# Altium PCB Sensor_Box_Hub_OrangePi.PCBDOC (part 1 of 2) (continued)
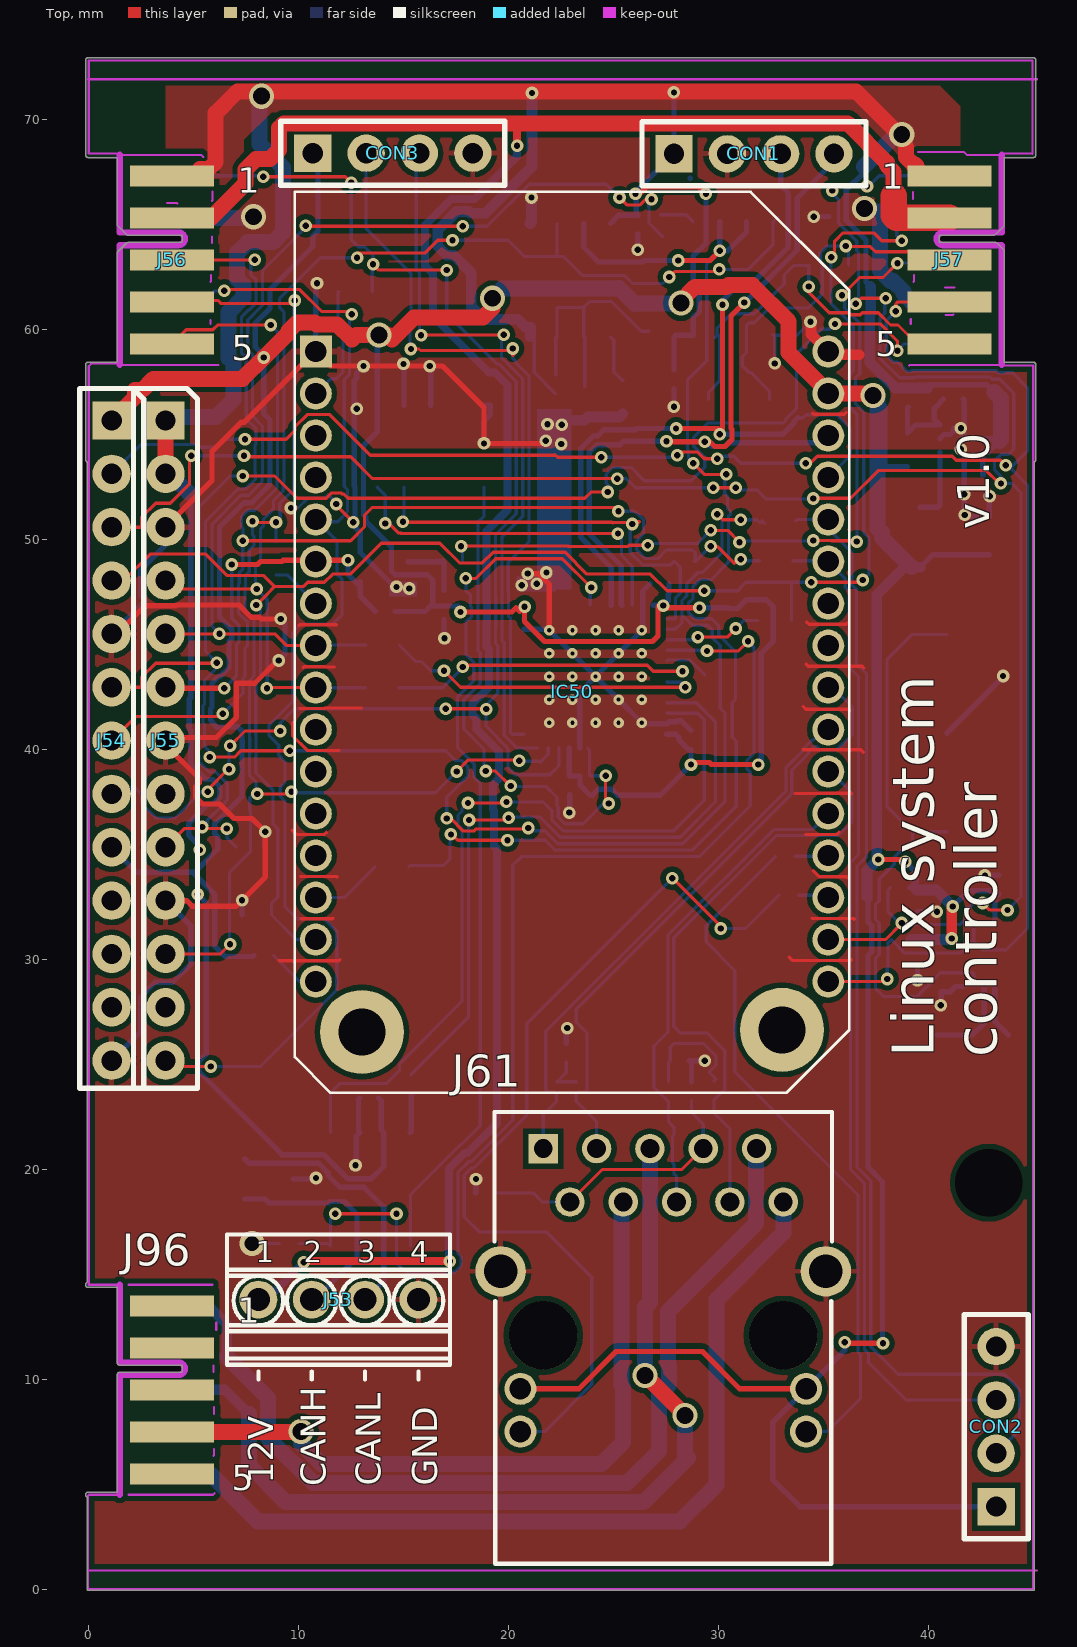
[diagram p0: Top view]
## Part data
BAT1: library part "BAT_VARTA_V 364 MF", "Battery for use only with Socket Holder", Manufacturer=VARTA, Manufacturer Part Number="V 364 MF", Power=17mAh, Author="CERN DEM JLC", ComponentHeight=2.15mm, Component Type=Standard, CreateDate=03.07.2014, Family=Battery, HelpURL="\\cern.ch\dfs\Applications\Altium\Datasheets\BAT_VARTA_V 364 MF.pdf", LatestRevisionDate=03.07.2014, Mounted=Yes, PackageDescription="CR60, 6.8mm Diameter x 2.2mm  Height Silver Oxide Buttun Cell Battery", Part Description="CR60, 6.8mm Diameter x 2.2mm  Height Silver Oxide Buttun Cell Battery", Part Number="BAT_VARTA_V 364 MF", Pin Count=0, PressFit=No, Sense=No, SMD=No, Socket=Yes
BATH5: library part BATH_KEYSTONE_2998, "Battery Holder whit 2 Pin", Manufacturer=KEYSTONE, Manufacturer Part Number=2998, Author="CERN DEM JLC", ComponentHeight=3.048mm, Component Type=Standard, CreateDate=03.07.2014, Family=Battery, HelpURL=\\cern.ch\dfs\Applications\Altium\Datasheets\BATH_KEYSTONE_2998.pdf, LatestRevisionDate=07.06.2017, Mounted=Yes, PackageDescription="SMD Battery Holder for MC621, V364, SC621, DR13H, DR77, V13AT, 377 Button Cells", Part Description="SMD Battery Holder for MC621, V364, SC621, DR13H, DR77, V13AT, 377 Button Cells", Part Number=BATH_KEYSTONE_2998, Pin Count=3, PressFit=No, Sense=No, SMD=Yes, Socket=No
C9 C11 C150 C151: library part CC0402_100NF_16V_10%_X7R, "Non-polarised capacitor", Case=0402, Manufacturer=GENERIC, Manufacturer1 ComponentHeight=0.55mm, Manufacturer1 Example=MURATA, Manufacturer1 Part Number=GRM155R71C104KA88D, Tolerance=±10%, Voltage=16V, Author="CERN DEM JLC", Component Type=Standard, CreateDate=05.12.2013, HelpURL=\\cern.ch\dfs\Applications\Altium\Datasheets\CC0402_X7R_MURATA_GRM.pdf, LatestRevisionDate=03.12.2007, Manufacturer Part Number=CC0402_100NF_16V_10%_X7R, Mounted=Yes, Part Description="SMD Multilayer Chip Ceramic Capacitor", Part Number=CC0402_100NF_16V_10%_X7R, Pin Count=2, Sense=No, SMD=Yes, Socket=No, Status="Not Recommended", TC=X7R
C10 C157: library part CC0603_10NF_50V_5%_C0G, "Non-polarised capacitor", Case=0603, Manufacturer=GENERIC, Manufacturer1 ComponentHeight=0.9mm, Manufacturer1 Example=TDK, Manufacturer1 Part Number=C1608C0G1H103J080AA, Tolerance=±5%, Voltage=50V, Author="CERN DEM JLC", Component Type=Standard, CreateDate=10.12.2014, HelpURL=\\cern.ch\dfs\Applications\Altium\Datasheets\CC0603_C0G_TDK_C.pdf, LatestRevisionDate=10.12.2014, Manufacturer Part Number=CC0603_10NF_50V_5%_C0G, Mounted=Yes, Part Description="SMD Multilayer Chip Ceramic Capacitor", Part Number=CC0603_10NF_50V_5%_C0G, Pin Count=2, Sense=No, SMD=Yes, Socket=No, Status=Preferred, TC=C0G/NP0
C65: library part CC0402_1UF_16V_10%_X5R, "Non-polarised capacitor", Case=0402, Manufacturer=GENERIC, Manufacturer1 ComponentHeight=0.55mm, Manufacturer1 Example=TDK, Manufacturer1 Part Number=C1005X5R1C105KT, Tolerance=±10%, Voltage=16V, Author="CERN DEM JLC", Component Type=Standard, CreateDate=25.10.2012, HelpURL=\\cern.ch\dfs\Applications\Altium\Datasheets\CC0402_X5R_TDK_C.pdf, LatestRevisionDate=25.10.2012, Manufacturer Part Number=CC0402_1UF_16V_10%_X5R, Mounted=Yes, Part Description="SMD Multilayer Chip Ceramic Capacitor", Part Number=CC0402_1UF_16V_10%_X5R, Pin Count=2, Sense=No, SMD=Yes, Socket=No, Status=Preferred, TC=X5R
C67: library part CC0805_10UF_16V_10%_X5R, "Non-polarised capacitor", Case=0805, Manufacturer=GENERIC, Manufacturer1 ComponentHeight=1.4mm, Manufacturer1 Example=KEMET, Manufacturer1 Part Number=C0805C106K4PAC, Tolerance=±10%, Voltage=16V, Author="CERN DEM JLC", Component Type=Standard, CreateDate=03.12.2007, HelpURL=\\cern.ch\dfs\Applications\Altium\Datasheets\CC1206_X5R_KEMET.pdf, LatestRevisionDate=03.12.2007, Manufacturer Part Number=CC0805_10UF_16V_10%_X5R, Mounted=Yes, Part Description="SMD Multilayer Chip Ceramic Capacitor", Part Number=CC0805_10UF_16V_10%_X5R, Pin Count=2, Sense=No, SMD=Yes, Socket=No, Status=Preferred, TC=X5R
C69 C72 C73 C74 C75 C77 C148 C149: library part CC0402_100NF_16V_10%_X5R, "Non-polarised capacitor", Case=0402, Manufacturer=GENERIC, Manufacturer1 ComponentHeight=0.55mm, Manufacturer1 Example=MURATA, Manufacturer1 Part Number=GRM155R61C104KA88D, Tolerance=±10%, Voltage=16V, Author="CERN DEM JLC", Component Type=Standard, CreateDate=10.12.2013, HelpURL=\\cern.ch\dfs\Applications\Altium\Datasheets\CC0402_X5R_MURATA_GRM.pdf, LatestRevisionDate=10.12.2013, Manufacturer Part Number=CC0402_100NF_16V_10%_X5R, Mounted=Yes, Part Description="SMD Multilayer Chip Ceramic Capacitor", Part Number=CC0402_100NF_16V_10%_X5R, Pin Count=2, Sense=No, SMD=Yes, Socket=No, Status=None, TC=X5R
C70: library part CC0603_68PF_50V_5%_NP0, "Non-polarised capacitor", Case=0603, Manufacturer=GENERIC, Manufacturer1 ComponentHeight=0.87mm, Manufacturer1 Example=PHYCOMP, Manufacturer1 Part Number=223886715689, Tolerance=±5%, Voltage=50V, Author="CERN DEM JLC", Component Type=Standard, CreateDate=03.12.2007, HelpURL=\\cern.ch\dfs\Applications\Altium\Datasheets\CC0603_NP0_PHYCOMP.pdf, LatestRevisionDate=03.12.2007, Manufacturer Part Number=CC0603_68PF_50V_5%_NP0, Mounted=Yes, Part Description="SMD Multilayer Chip Ceramic Capacitor", Part Number=CC0603_68PF_50V_5%_NP0, Pin Count=2, Sense=No, SMD=Yes, Socket=No, Status=Preferred, TC=C0G/NP0
CON1 CON2 CON3: library part CON4x2.54, "Connector", Supplier Part Number 1=67R8277, Supplier 1=Newark
D35: "TVS Diode for CAN", Case=SOT-23, Manufacturer=Nexperia, Power=400W, Voltage=24V, Author="CERN DEM JLC", Bonding=No, ComponentHeight=1.12mm, Component Type=Standard, CreateDate=03.09.2014, Device=PESD1CAN-UX, HelpURL=\\cern.ch\dfs\Applications\Altium\Datasheets\SM712.TCT.pdf, LatestRevisionDate=13.01.2015, Manufacturer Part Number=PESD1CAN-UX, Mounted=Yes, PackageDescription="SOT, 0.95mm, pitch; 3 pin,1.30mm W X 2.92mm L X 1.12mm H body, IPC Medium Density", Part Description="TVS Diode for CAN", Part Number=PESD1CAN-UX, Pin Count=3, PressFit=No, Sense=No, SMD=Yes, Socket=No
D36 D37 D41 D42 D82: "ESD protection diode", Case=SOD523, Manufacturer="NXP SEMICONDUCTORS", Power=330W, Voltage=3V3, Author="CERN DEM JLC", Bonding=No, ComponentHeight=0.65mm, Component Type=Standard, CreateDate=29.11.2012, Device=PESD3V3S1UB, HelpURL=\\cern.ch\dfs\Applications\Altium\Datasheets\PESD3V3S1UB.pdf, LatestRevisionDate=29.11.2012, Manufacturer Part Number=PESD3V3S1UB, Mounted=Yes, PackageDescription="Ultra Small Outline Diode Flat Lead (SOD-523), Body; 1.2mm L X 0.8mm W X 0.65mm H, IPC Medium Density", Part Description="ESD protection diode (23kV)", Part Number=PESD3V3S1UB, Pin Count=2, PressFit=No, Sense=No, SMD=Yes, Socket=No
D80: "Asymmetrical TVS Diode for Extended Common-Mode RS-485", Case=SOT-23, Manufacturer=SEMTECH, Power=400W, Voltage=12V/-7V, Author="CERN DEM JLC", Bonding=No, ComponentHeight=1.12mm, Component Type=Standard, CreateDate=23.04.2012, Device=SM712, HelpURL=\\cern.ch\dfs\Applications\Altium\Datasheets\SM712.pdf, LatestRevisionDate=23.04.2012, Manufacturer Part Number=SM712, Mounted=Yes, PackageDescription="SOT, 0.95mm, pitch; 3 pin,1.30mm W X 2.92mm L X 1.12mm H body, IPC Medium Density", Part Description="Asymmetrical TVS Diode for Extended Common-Mode RS-485", Part Number=SM712, Pin Count=3, PressFit=No, Sense=No, SMD=Yes, Socket=No, Status=Obsolete
D81: "Diode", Case=SOD-323F, Manufacturer="FAIRCHILD SEMICONDUCTOR", Power=150mA, Voltage=75V, Author="CERN DEM JLC", Bonding=No, ComponentHeight=1mm, Component Type=Standard, CreateDate=12.05.2011, Device=1N4148WS, HelpURL=\\cern.ch\dfs\Applications\Altium\Datasheets\1N4148WS.pdf, LatestRevisionDate=12.05.2011, Manufacturer Part Number=1N4148WS, Mounted=Yes, PackageDescription="SODFL Diode; 1.70mm W X 1.25mm L X 1.00mm H body, IPC Medium Density", Part Description="Small Signal Diodes", Part Number=1N4148WS, Pin Count=2, PressFit=No, Sense=No, SMD=Yes, Socket=No
IC19: "0V to 6V Input, 1A, 1.5MHz, Step-Down DC-DC Converter", Case=SON6, Manufacturer="DIODES INCORPORATED", Author="CERN DEM MR", Bonding=No, ComponentHeight=0.8mm, Component Type=Standard, CreateDate=15.02.2018, Device=AUR9705AGD, HelpURL=\\cern.ch\dfs\Applications\Altium\Datasheets\AUR9705AGD.pdf, LatestRevisionDate=15.02.2018, Manufacturer Part Number=AUR9705AGD, Mounted=Yes, PackageDescription="SON, 0.65mm Pitch, 6 Pin, 2.00mm W X 2.00mm L X 0.80mm H body (W/Thermal Tab 0.65mm X 1.45mm), IPC Medium Density", Part Description="0V to 6V Input, 1A, 1.5MHz, Step-Down DC-DC Converter", Part Number=AUR9705AGD, Pin Count=7, PressFit=No, Sense=No, SMD=Yes, Socket=No
IC20: library part CMP-0304-00104-1, "ARM Cortex-M0 32-bit MCU, 32 KB Flash, 6 KB Internal RAM, 38 I/Os, 48-Pin UFQFPN, -40 to 85 degC, Tray", I/Os (High Current)=38, Operating Frequency(F) (Processor speed) (MHz)=48, Package Description="48-Pin Ultra Thin Fine Pitch Quad Flat No-Lead, 7 x 7 x 0.6 mm Body, 0.5 mm Pitch, Exposed Pad", Package Reference=UFQFPN48, Supply Voltage(Vcc) min (V)=2, ComponentLink1Description="Manufacturer URL", ComponentLink1URL=http://www.st.com/, ComponentLink2Description=Datasheet, ComponentLink2URL=http://www.st.com/st-web-ui/static/active/en/resource/technical/document/datasheet/DM00105814.pdf, Core="ARM Cortex-M0", DatasheetVersion="Rev. 5", FLASH Size (Prog) (kB)=32, Internal RAM Size (kB)=6, Mounting Technology="Surface Mount", Packing=Tray
IC49: "High-Speed CAN Transceiver, 8-Pin SOIC, Industrial Temperature", Case=SOIC8, Manufacturer="MICROCHIP TECHNOLOGY", Author=GK, Bonding=No, ComponentHeight=1.75mm, Component Type=Standard, CreateDate=07.09.2016, Device=MCP2551-I/SN, LatestRevisionDate=07.09.2016, Manufacturer Part Number=MCP2551-I/SN, Mounted=Yes, PackageDescription="SOIC 8, Pitch 1.27mm - Body 4x5mm, IPC Medium Density", Part Description="High-Speed CAN Transceiver", Part Number=MCP2551-I/SN, Pin Count=8, PressFit=No, Sense=No, SMD=Yes, Socket=No
IC50: library part MOD_OMEGA2, "Onion OMEGA2+ Iot Computer", Package=None, Availability=Unavailable, MF=Onion, MP=OMEGA2, Price=None, SnapEDA_Link=https://www.snapeda.com/parts/OMEGA2/Onion/view-part/?ref=snap
IC58: "±15kV ESD-Protected, Low Power  RS-485/RS-422 Transceiver", Case=SOIC8, Manufacturer="ST MICROELECTRONICS", Author="CERN DEM MR", Bonding=No, ComponentHeight=1.75mm, Component Type=Standard, CreateDate=15.02.2018, Device=ST485ECDR, HelpURL=\\cern.ch\dfs\Applications\Altium\Datasheets\ST485ECDR.pdf, LatestRevisionDate=15.02.2018, Manufacturer Part Number=ST485ECDR, Mounted=Yes, PackageDescription="SOIC 8, Pitch 1.27mm - Body 4x5mm, IPC Medium Density", Part Description="±15kV ESD-Protected, Low Power  RS-485/RS-422 Transceiver", Part Number=ST485ECDR, Pin Count=8, PressFit=No, Sense=No, SMD=Yes, Socket=No
IC59: "Precision Timer", Case=SOIC8, Manufacturer="TEXAS INSTRUMENTS", Author="CERN DEM JMW", Bonding=No, ComponentHeight=1.75mm, Component Type=Standard, CreateDate=16.04.2009, Device=NE555D, HelpURL=\\cern.ch\dfs\Applications\Altium\Datasheets\NE555D.pdf, LatestRevisionDate=16.04.2009, Manufacturer Part Number=NE555D, Mounted=Yes, PackageDescription="SOIC 8, Pitch 1.27mm, Body 4x5mm, IPC Medium Density", Part Description="Precision Timer", Part Number=NE555D, Pin Count=8, PressFit=No, Sense=No, SMD=Yes, Socket=No
IC83: "Tiny Real-Time Clock/calendar with 64 byte RAM, alarm  function, battery switch-over  time stamp input, and I 2 C-bus", Case=TSSOP8, Manufacturer=NXP, Author=GK, Bonding=No, ComponentHeight=1.3mm, Component Type=Standard, CreateDate=25.02.2013, Device=PCF85363ATT/AJ, HelpURL=\\cern.ch\dfs\Applications\Altium\Datasheets\PCA9306DCUR.pdf, LatestRevisionDate=11.02.2016, Manufacturer Part Number=PCF85363ATT/AJ, Mounted=Yes, PackageDescription="SOP, 0.50mm Pitch; 8 pin, 2.30mm W X 2.00mm L X 0.90mm H body, PC Medium Density", Part Description="Tiny Real-Time Clock/calendar with 64 byte RAM, alarm  function, battery switch-over  time stamp input, and I 2 C-bus", Part Number=PCF85363ATT/AJ, Pin Count=8, PressFit=No, Sense=No, SMD=Yes, Socket=No
J53: library part PHOENIX_1725672, "Terminal Block, 4 Positions, Screw Connection", Manufacturer="PHOENIX CONTACT", Manufacturer Part Number="1725672 (MPT 0,5/4-2,54)", Author="CERN DEM JMW", ComponentHeight=8.5mm, Component Type=Standard, CreateDate=07.11.2008, HelpURL=\\cern.ch\dfs\Applications\Altium\Datasheets\PHOENIX_1725672.pdf, LatestRevisionDate=26.04.2010, Mounted=Yes, Part Description="6A, 63V, Terminal Block, Pitch 2.54mm, 4 Positions, Screw Connection", Part Number=PHOENIX_1725672, Pin Count=4, PressFit=No, Sense=No, SMD=No, Socket=No, Status=None
J54 J55: library part CON13
J56 J96: library part EDGE10T1B6_P200W1000L0F100X400, "PCB Edge Connector 10 (2x5)", Author="CERN DEM MR", ComponentHeight=0mm, Component Type="Standard (No BOM)", CreateDate=14.02.2018, HelpURL=\\cern.ch\dfs\Applications\Altium\Datasheets\EDGE10T1B6_P200W1000L0F100X400.pdf, LatestRevisionDate=14.02.2018, Mounted=No, Part Description="10 Contacts Board Edge Connector, Pitch 2mm, Length 0mm, Width 10mm, Finger Lenght 4mm, Finger Width 1mm", Part Number=EDGE10T1B6_P200W1000L0F100X400, Pin Count=10, PressFit=No, Sense=No, SMD=No, Socket=No, Status=None
J57: library part EDGE10T5B10_P200W1000L0F100X400, "PCB Edge Connector 10 (2x5)", Author="CERN DEM MR", ComponentHeight=0mm, Component Type="Standard (No BOM)", CreateDate=14.02.2018, HelpURL=\\cern.ch\dfs\Applications\Altium\Datasheets\EDGE10T5B10_P200W1000L0F100X400.pdf, LatestRevisionDate=14.02.2018, Mounted=No, Part Description="10 Contacts Board Edge Connector, Pitch 2mm, Length 0mm, Width 10mm, Finger Lenght 4mm, Finger Width 1mm", Part Number=EDGE10T5B10_P200W1000L0F100X400, Pin Count=10, PressFit=No, Sense=No, SMD=No, Socket=No, Status=None
J61: "MagJack 10/100BaseT, PoE+, 1X1, OG/Y, -40 to 85*C, Tab Up, RoHS", Manufacturer=Abracon, Manufacturer Part Number=ARJM11C7-114-BA-EW2, Author=GK, ComponentHeight=13.61mm, Component Type=Standard, CreateDate=05.11.2012, Family=RJ45, HelpURL=\\cern.ch\dfs\Applications\Altium\Datasheets\BELFUSE_0826-1X1T-GJ-F.pdf, LatestRevisionDate=05.11.2012, Mounted=Yes, Part Description="1 Port, Orange Green/Yellow LEDs, RJ45 10/100BaseT, PoE, Ethernet MagJack® Connector Module", Part Number=ARJM11C7-114-BA-EW2, Pin Count=18, PressFit=No, Sense=No, SMD=No, Socket=No, Status=None
JP7: library part "CON_2x5 1.27 SMT Male", "1.27 mm dual row goldpin (Maritex)"
L2: library part IND_2.2UH_20%_MURATA_LQH44PN2R2MP0L, "Inductor With Core", Case=4040, Manufacturer=MURATA, Manufacturer Part Number=LQH44PN2R2MP0L, Power=1.8A, Resistance=0R049, Tolerance=±20%, Author="CERN DEM JLC", ComponentHeight=1.8mm, Component Type=Standard, CreateDate=14.02.2018, HelpURL=\\cern.ch\dfs\Applications\Altium\Datasheets\IND_MURATA_LQH44PN_P0.pdf, LatestRevisionDate=14.02.2018, Mounted=Yes, Part Description="Wire Wound Ferrite Inductor for Power Lines", Part Number=IND_2.2UH_20%_MURATA_LQH44PN2R2MP0L, Pin Count=2, Sense=No, SMD=Yes, Socket=No, Status=None
Q6: library part XTAL_32.768KHZ_ABRACON_ABS09-32.768KHZ-T, "Quartz Crystal", Manufacturer=ABRACON, Manufacturer Part Number=ABS09-32.768KHZ-T, Author="CERN DEM JLC", Bonding=No, ComponentHeight=0.9mm, Component Type=Standard, CreateDate=16.10.2014, HelpURL=\\cern.ch\dfs\Applications\Altium\Datasheets\XTAL_ABRACON_ABS09.pdf, LatestRevisionDate=16.10.2014, Mounted=Yes, PackageDescription="2 Pins, 4.1x1.5mm, SMD Low Profile Crystal, ABS09 Serie", Part Description="Tolerance: ±20ppm, Stability: ±5ppm, -40°C to +85°C, 12.5pF, SMD Low Profile Crystal, ABS09 Series", Part Number=XTAL_32.768KHZ_ABRACON_ABS09-32.768KHZ-T, Pin Count=2, PressFit=No, Sense=No, SMD=Yes, Socket=No
R87 R332: library part R0402_330R_1%_0.0625W_100PPM, "Resistor - 1%", Case=0402, Manufacturer=GENERIC, Manufacturer1 ComponentHeight=0.4mm, Manufacturer1 Example="YAGEO PHYCOMP", Manufacturer1 Part Number=232270673301L, Power=0.0625W, Tolerance=±1%, Author="CERN DEM JLC", Component Type=Standard, CreateDate=03.12.2007, HelpURL=\\cern.ch\dfs\Applications\Altium\Datasheets\R0402_Phycomp_RC0402.pdf, LatestRevisionDate=17.10.2012, Manufacturer Part Number=R0402_330R_1%_0.0625W_100PPM, Mounted=Yes, Part Description="General Purpose Thick Film Chip Resistor", Part Number=R0402_330R_1%_0.0625W_100PPM, Pin Count=2, PressFit=No, Sense=No, SMD=Yes, Socket=No, Status="Not Recommended", TC=±100ppm/°C
R88 R209: library part R0402_100K_1%_0.0625W_100PPM, "Resistor - 1%", Case=0402, Manufacturer=GENERIC, Manufacturer1 ComponentHeight=0.4mm, Manufacturer1 Example="YAGEO PHYCOMP", Manufacturer1 Part Number=232270671004L, Power=0.0625W, Tolerance=±1%, Author="CERN DEM JLC", Component Type=Standard, CreateDate=03.12.2007, HelpURL=\\cern.ch\dfs\Applications\Altium\Datasheets\R0402_Phycomp_RC0402.pdf, LatestRevisionDate=17.10.2012, Manufacturer Part Number=R0402_100K_1%_0.0625W_100PPM, Mounted=Yes, Part Description="General Purpose Thick Film Chip Resistor", Part Number=R0402_100K_1%_0.0625W_100PPM, Pin Count=2, PressFit=No, Sense=No, SMD=Yes, Socket=No, Status="Not Recommended", TC=±100ppm/°C
R157 R167 R179 R185 R326: library part R0402_49R9_1%_0.0625W_100PPM, "Resistor - 1%", Case=0402, Manufacturer=GENERIC, Manufacturer1 ComponentHeight=0.4mm, Manufacturer1 Example="YAGEO PHYCOMP", Manufacturer1 Part Number="232270674999L or RC0402FR-0749R9L", Power=0.0625W, Tolerance=±1%, Author="CERN DEM JLC", Component Type=Standard, CreateDate=2012-10-24, HelpURL=\\cern.ch\dfs\Applications\Altium\Datasheets\R0402_Phycomp_RC0402.pdf, LatestRevisionDate=2012-10-24, Manufacturer Part Number=R0402_49R9_1%_0.0625W_100PPM, Mounted=Yes, Part Description="General Purpose Thick Film Chip Resistor", Part Number=R0402_49R9_1%_0.0625W_100PPM, Pin Count=2, SMD=Yes, Socket=No, Status="Not recommended", Table="Resistors SMD", TC=±100ppm/°C
R168: library part R0402_4K7_1%_0.0625W_100PPM, "Resistor - 1%", Case=0402, Manufacturer=GENERIC, Manufacturer1 ComponentHeight=0.4mm, Manufacturer1 Example="YAGEO PHYCOMP", Manufacturer1 Part Number=232270674702L, Power=0.0625W, Tolerance=±1%, Author="CERN DEM JLC", Component Type=Standard, CreateDate=03.12.2007, HelpURL=\\cern.ch\dfs\Applications\Altium\Datasheets\R0402_Phycomp_RC0402.pdf, LatestRevisionDate=17.10.2012, Manufacturer Part Number=R0402_4K7_1%_0.0625W_100PPM, Mounted=Yes, Part Description="General Purpose Thick Film Chip Resistor", Part Number=R0402_4K7_1%_0.0625W_100PPM, Pin Count=2, PressFit=No, Sense=No, SMD=Yes, Socket=No, Status="Not Recommended", TC=±100ppm/°C
R169 R183 R495: library part R0402_1K_1%_0.0625W_100PPM, "Resistor - 1%", Case=0402, Manufacturer=GENERIC, Manufacturer1 ComponentHeight=0.4mm, Manufacturer1 Example="YAGEO PHYCOMP", Manufacturer1 Part Number=232270671002L, Power=0.0625W, Tolerance=±1%, Author="CERN DEM JLC", Component Type=Standard, CreateDate=03.12.2007, HelpURL=\\cern.ch\dfs\Applications\Altium\Datasheets\R0402_Phycomp_RC0402.pdf, LatestRevisionDate=17.10.2012, Manufacturer Part Number=R0402_1K_1%_0.0625W_100PPM, Mounted=Yes, Part Description="General Purpose Thick Film Chip Resistor", Part Number=R0402_1K_1%_0.0625W_100PPM, Pin Count=2, PressFit=No, Sense=No, SMD=Yes, Socket=No, Status="Not Recommended", TC=±100ppm/°C
R177: library part R0402_22K_1%_0.0625W_100PPM, "Resistor - 1%", Case=0402, Manufacturer=GENERIC, Manufacturer1 ComponentHeight=0.4mm, Manufacturer1 Example="YAGEO PHYCOMP", Manufacturer1 Part Number=232270672203L, Power=0.0625W, Tolerance=±1%, Author="CERN DEM JLC", Component Type=Standard, CreateDate=03.12.2007, HelpURL=\\cern.ch\dfs\Applications\Altium\Datasheets\R0402_Phycomp_RC0402.pdf, LatestRevisionDate=17.10.2012, Manufacturer Part Number=R0402_22K_1%_0.0625W_100PPM, Mounted=Yes, Part Description="General Purpose Thick Film Chip Resistor", Part Number=R0402_22K_1%_0.0625W_100PPM, Pin Count=2, PressFit=No, Sense=No, SMD=Yes, Socket=No, Status="Not Recommended", TC=±100ppm/°C
R182: library part RES_1206, "SMD Resistor", Supplier Part Number 1=39K0871, Supplier 1=Newark
R184 R334 R335 R345: library part R0402_3K9_1%_0.0625W_100PPM, "Resistor - 1%", Case=0402, Manufacturer=GENERIC, Manufacturer1 ComponentHeight=0.4mm, Manufacturer1 Example="YAGEO PHYCOMP", Manufacturer1 Part Number=232270673902L, Power=0.0625W, Tolerance=±1%, Author="CERN DEM JLC", Component Type=Standard, CreateDate=03.12.2007, HelpURL=\\cern.ch\dfs\Applications\Altium\Datasheets\R0402_Phycomp_RC0402.pdf, LatestRevisionDate=17.10.2012, Manufacturer Part Number=R0402_3K9_1%_0.0625W_100PPM, Mounted=Yes, Part Description="General Purpose Thick Film Chip Resistor", Part Number=R0402_3K9_1%_0.0625W_100PPM, Pin Count=2, PressFit=No, Sense=No, SMD=Yes, Socket=No, Status="Not Recommended", TC=±100ppm/°C
R333 R336: library part R0402_10K_1%_0.0625W_100PPM, "Resistor - 1%", Case=0402, Manufacturer=GENERIC, Manufacturer1 ComponentHeight=0.4mm, Manufacturer1 Example="YAGEO PHYCOMP", Manufacturer1 Part Number=232270671003L, Power=0.0625W, Tolerance=±1%, Author="CERN DEM JLC", Component Type=Standard, CreateDate=03.12.2007, HelpURL=\\cern.ch\dfs\Applications\Altium\Datasheets\R0402_Phycomp_RC0402.pdf, LatestRevisionDate=17.10.2012, Manufacturer Part Number=R0402_10K_1%_0.0625W_100PPM, Mounted=Yes, Part Description="General Purpose Thick Film Chip Resistor", Part Number=R0402_10K_1%_0.0625W_100PPM, Pin Count=2, PressFit=No, Sense=No, SMD=Yes, Socket=No, Status="Not Recommended", TC=±100ppm/°C
R337 R342 R343 R344 R494: library part R0603_NO-VALUE, "Resistor", Case=0603, Author="CERN DEM JLC", Component Type=Standard, CreateDate=03.12.2007, HelpURL=Undefined, LatestRevisionDate=13.03.2008, Manufacturer=Undefined, Manufacturer1 ComponentHeight=Undefined, Manufacturer1 Example=Undefined, Manufacturer1 Part Number=Undefined, Manufacturer Part Number=R0603_NO-VALUE, Mounted=No, Part Description="Reserved Footprint For a 0603 (1608) Chip Resistor", Part Number=R0603_NO-VALUE, Pin Count=2, PressFit=No, Sense=No, SMD=Yes, Socket=No, Status=None
R338 R339 R340 R341: library part R0603_0R_JUMPER, "Resistor", Case=0603, Manufacturer=GENERIC, Manufacturer1 ComponentHeight=0.55mm, Manufacturer1 Example="NIC COMPONENT", Manufacturer1 Part Number=NRC06Z0, Author="CERN DEM JLC", Component Type=Standard, CreateDate=03.12.2007, HelpURL=\\cern.ch\dfs\Applications\Altium\Datasheets\R0603_NIC_NRC.pdf, LatestRevisionDate=13.03.2008, Manufacturer Part Number=R0603_0R_JUMPER, Mounted=Yes, Part Description="1A (0.05R Max DC Resistance) Zero Ohm Jumper", Part Number=R0603_0R_JUMPER, Pin Count=2, PressFit=No, Sense=No, SMD=Yes, Socket=No, Status=Preferred
T26: "N-CHANNEL MOSFET WITH DIODE", Case=SOT23-3, Manufacturer="ON SEMICONDUCTOR", Author="CERN DEM JLC", Bonding=No, ComponentHeight=1.11mm, Component Type=Standard, CreateDate=23.03.2009, Device=BSS138LT1G, HelpURL=\\cern.ch\dfs\Applications\Altium\Datasheets\BSS138LT1G.pdf, LatestRevisionDate=23.03.2009, Manufacturer Part Number=BSS138LT1G, Mounted=Yes, PackageDescription="SOT23 3-Leads, Pitch 0.95mm - Body 1.4x3mm, IPC Medium Density", Part Description="50V 200mA N-Channel Enhancement Mode Field-Effect Transistor", Part Number=BSS138LT1G, Pin Count=3, PressFit=No, Sense=No, SMD=Yes, Socket=No

## Free pads (board coordinates)
  round 3 hole 3.2 unplated: 2(42.875,19.355)

## Via types
v1: diameter 0.6, hole 0.3, Top to Bot, tented both sides, 201 vias
v2: diameter 0.5, hole 0.2, Top to Bot, tented both sides, 25 vias
v3: diameter 1.2, hole 0.8, Top to Bot, tented both sides, 11 vias
v4: diameter 0.6, hole 0.3, Top to Bot, 2 vias
v5: diameter 1.2, hole 0.711, Top to Bot, tented both sides, 1 vias

## Nets (pads, with @x,y where several pads share a name; then routed paths per layer and width w, separated by ;. In a path a pad name is that pad's centre, name@x,y a point inside that pad or via, vN(x,y) a via of type N, cw(c..) or ccw(c..) an arc to the next point about the centre after c; other vN are vias at no path point)
CAN_MOD: IC20.40 IC49.8 R168.2 | length 56.6
  Top w0.152: v1(11.76,17.882) v1(14.681,17.882) ; v1(29.464,44.679) 30.963,44.679 v1(31.42,45.136)
  Bot w0.152: R168.2@10.046,16.459 11.422,16.459 IC49.8@11.532,16.35 11.532,17.653 v1(11.76,17.882) ; v1(14.681,17.882) 14.681,15.541 15.185,15.037 16.948,15.037 ; 17.004,15.092 17.442,15.092 17.751,15.402 17.751,15.84 17.604,15.987 17.604,19.85 18.121,20.366 18.241,20.366 20.218,22.344 20.218,34.468 20.639,34.889 29.097,34.889 31.523,37.314 31.523,38.9 31.374,39.049 31.374,39.487 31.699,39.813 31.699,44.856 v1(31.42,45.136) ; IC20.40@27.555,44.709 29.19,44.709 v1@29.329,44.848
CAN_MOD2: IC20.30 IC49.5 | length 42.1
  Top w0.152: v1(17.983,48.133) 18.466,48.133 19.406,49.073 22.581,49.073 v1(23.952,47.701)
  Bot w0.152: IC49.5@15.342,16.35 15.342,18.772 17.773,21.204 17.801,21.204 18.664,22.068 18.664,38.37 18.385,38.649 18.385,39.283 17.582,40.087 17.582,42.476 18.359,43.254 18.359,44.145 17.983,44.521 17.983,46.039 18.258,46.314 18.258,46.752 18.207,46.803 18.207,47.325 17.983,47.549 v1(17.983,48.133) ; IC20.30@23.905,46.859 23.905,47.654 v1(23.952,47.701)
CAN_RX: IC20.45 R495.2 | length 32.7
  Top w0.152: v1(18.136,36.627) 19.914,36.627 v1(20.015,36.728)
  Bot w0.152: R495.2@15.367,24.498 18.105,27.237 v1@18.105,36.627 ; v1(20.015,36.728) 20.061,36.774 21.509,36.774 22.48,35.803 28.184,35.803 29.866,37.485 29.866,41.305 28.961,42.209 IC20.45@27.555,42.209
CAN_TX: IC20.46 IC49.1 | length 38.3
  Top w0.152: v1(18.085,37.44) 19.863,37.44 v1(19.914,37.49)
  Bot w0.152: IC49.1@11.532,21.75 11.532,23.629 11.982,24.079 14.199,24.079 14.828,24.709 14.828,25.017 17.801,27.989 17.801,36.214 17.607,36.408 17.607,36.846 17.801,37.039 17.801,37.155 v1(18.085,37.44) ; v1(19.914,37.49) 21.655,37.49 22.077,37.068 22.077,36.637 22.607,36.108 27.878,36.108 29.337,37.567 29.337,41.402 29.03,41.709 IC20.46@27.555,41.709
CAN_USART_RX: CON3.2 IC20.13 | length 35.7
  Top w0.152: v1(15.367,59.055) 15.753,59.055 15.822,58.986 v1@20.212,58.986 ; v1(20.212,59.08) v1@20.212,58.986 ; v1@20.212,58.986 20.435,58.986 20.212,58.762 v1@20.212,58.986
  Bot w0.152: CON3.2@13.233,68.377 13.233,64.79 15.367,62.657 15.367,59.98 15.321,59.934 15.321,59.101 v1(15.367,59.055) ; v1(20.212,59.08) 20.212,58.617 20.39,58.439 20.371,58.42 20.371,58.378 20.993,57.756 20.993,49.891 20.002,48.901 20.002,47.486 20.01,47.478 20.01,46.33 20.112,46.228 20.112,40.793 20.196,40.709 IC20.13@20.755,40.709
CAN_USART_TX: CON3.3 IC20.12 | length 34.6
  Top w0.152: v1(15.85,59.715) 19.761,59.715 v1(19.787,59.741)
  Bot w0.152: CON3.3@15.773,68.377 15.617,68.221 15.617,62.837 15.773,62.681 15.773,59.792 v1(15.85,59.715) ; v1(19.787,59.741) 19.683,59.637 19.683,58.635 20.688,57.629 20.688,51.084 19.698,50.094 19.698,47.359 19.706,47.351 19.706,45.714 19.698,45.706 19.698,45.175 19.807,45.065 19.807,40.667 20.415,40.059 IC20.12@21.405,40.059
CAN_USB_N: CON1.3 IC20.32 IC50.29 | length 40.4
  Top w0.254: v1(27.991,55.27) 29.99,55.27 30.074,55.187 v1(30.074,54.991) 30.201,55.118 v1(30.201,61.163)
  Bot w0.152: 33.783,55.778 34.035,55.778 34.182,55.925 35.648,55.925 36.297,55.276 36.297,53.994 IC50.29@35.238,52.935
  Bot w0.254: IC20.32@24.905,46.859 24.905,48.64 23.449,50.097 23.449,54.307 24.052,54.91 24.263,54.91 24.568,55.215 26.067,55.215 26.122,55.27 v1(27.991,55.27) ; v1@30.074,55.18 v1(30.074,54.991) 33.063,54.991 33.597,55.525 33.597,55.593 33.783,55.778 ; v1(30.201,61.163) 30.201,61.366 30.678,61.844 31.271,61.844 33.325,63.898 33.325,66.497 32.969,66.853 CON1.3@32.969,68.351
CAN_USB_P: CON1.4 IC20.33 IC50.30 | length 37
  Top w0.254: v1(27.534,54.661) 27.559,54.635 v1(29.362,54.635) 29.61,54.635 29.834,54.412 30.314,54.412 30.653,54.751 30.653,55.231 30.607,55.277 30.607,60.63 v1(31.242,61.265)
  Bot w0.254: IC20.33@25.405,46.859 25.379,46.885 25.379,48.741 23.855,50.265 23.855,54.139 24.22,54.503 25.328,54.503 25.485,54.661 v1(27.534,54.661) ; v1(29.362,54.635) 29.464,54.635 29.688,54.412 30.314,54.412 30.487,54.585 34.887,54.585 IC50.30@35.238,54.935 ; v1(31.242,61.265) 31.266,61.265 33.761,63.76 33.761,66.248 35.509,67.996 CON1.4@35.509,68.351
CANH: D35.1 IC49.7 J53.2 | length 10.7
  Bot w0.254: D35.1@7.461,18.583 8.418,18.583 8.611,18.39 11.449,18.39 11.52,18.461 12.197,18.461 12.802,17.856 IC49.7@12.802,16.35 12.802,15.799 10.795,13.792 J53.2@10.643,13.792
CANL: D35.2 IC49.6 J53.3 | length 12.4
  Bot w0.254: D35.2@7.461,20.483 7.654,20.289 10.959,20.289 11.425,19.823 11.425,19.715 11.997,19.144 13.14,19.144 14.072,18.212 IC49.6@14.072,16.35 14.072,14.681 J53.3@13.183,13.792
COM_UART_CTS: IC20.10 J54.8 J56.6 R340.1 | length 70.1
  Top w0.152: v1(5.69,37.973) 5.69,38.075 6.68,39.065 v1(6.706,39.04) ; v1(6.756,40.157) 7.468,40.869 v1(9.144,40.869) ; v1(8.331,67.259) 12.243,67.259 v1(12.522,66.98) ; v1(13.564,63.094) 13.843,62.814 v1(17.069,62.814) ; v1(17.018,41.925) 18.933,41.925 v1(18.948,41.91)
  Bot w0.152: J54.8@1.118,37.871 1.753,37.871 2.136,38.254 2.54,37.85 2.54,37.398 3.21,36.728 4.156,36.728 v1@5.63,38.202 ; J56.6@4,67.3 8.372,67.3 v1(8.331,67.259) ; v1(6.706,39.04) v1@6.706,40.157 ; v1(6.756,40.157) v1@6.756,40.283 ; v1(9.144,40.869) 9.144,41.25 9.82,41.925 v1(17.018,41.925) ; v1(12.522,66.98) 12.522,64.262 12.857,63.927 13.156,63.927 13.564,63.52 v1(13.564,63.094) 13.525,63.055 R340.1@13.525,61.798 ; v1(17.069,62.814) 17.069,60.731 19.456,58.344 19.542,58.344 20.383,57.503 20.383,51.211 19.393,50.22 19.393,47.233 19.401,47.225 19.401,45.84 19.393,45.833 19.393,45.049 19.502,44.939 19.502,42.659 18.948,42.105 v1(18.948,41.91) 18.948,41.09 19.985,40.053 19.985,39.135 20.334,38.786 21.975,38.786 22.11,38.921 ; 22.114,38.918 22.321,39.125 22.321,39.132 22.423,39.234 22.423,40.041 IC20.10@22.405,40.059
COM_UART_RTS: IC20.11 J55.11 J56.4 R341.1 | length 59.1
  Top w0.152: J55.11@3.683,30.251 6.299,30.251 v1(6.756,30.709) ; J56.4@4,61.3 4.066,61.366 6.187,61.366 6.334,61.219 9.69,61.219 v1(9.838,61.366) ; v1@7.822,50.801 v1(8.941,50.801) ; v1@7.823,50.801 v1(7.823,50.851) ; v1(8.052,37.871) 9.525,37.871 v1@9.677,38.024 ; v1(17.551,38.938) 18.105,39.492 20.477,39.492 v1(20.523,39.446)
  Bot w0.152: v1(6.756,30.709) 6.723,30.742 6.723,34.11 7.722,35.109 7.722,37.032 7.696,37.058 7.696,37.702 7.996,38.002 7.996,38.436 7.676,38.756 7.676,39.754 7.691,39.77 7.691,40.545 7.676,40.56 7.676,43.246 7.895,43.465 7.895,46.222 7.472,46.644 7.472,47.753 7.493,47.774 7.493,48.275 7.666,48.448 7.666,49.478 7.895,49.706 7.895,50.144 7.823,50.215 v1(7.823,50.851) ; R341.1@8.941,49.898 v1(8.941,50.801) 9.144,51.004 9.144,51.246 9.123,51.267 9.123,51.705 9.774,52.356 9.774,61.15 v1@9.914,61.29 ; v1(9.677,37.973) 9.725,37.925 16.538,37.925 v1(17.551,38.938) ; v1(20.523,39.446) 20.452,39.446 20.437,39.431 21.464,39.431 21.519,39.376 IC20.11@21.891,39.747 ; IC20.11@21.891,39.747 21.905,39.762 IC20.11@21.905,40.059 21.891,40.045 IC20.11@21.891,39.747
COM_UART_RX: IC20.38 J54.6 J56.3 R339.2 | length 86
  Top w0.152: J54.6@1.118,42.951 2.519,42.951 2.54,42.973 2.54,43.425 3.21,44.094 6.096,44.094 v1(6.121,44.12) ; J56.3@4,63.3 v1(7.925,63.3) ; v1(5.791,39.624) 5.796,39.629 6.975,39.629 7.272,39.925 v1(9.601,39.925) ; v1(17.069,36.703) 17.258,36.703 17.862,36.098 18.355,36.098 18.456,36.2 20.909,36.2 v1(20.955,36.246) ; v1(29.947,51.181) 30.201,50.927 v1(31.064,50.927)
  Bot w0.152: v1(5.791,39.624) 5.791,39.878 5.537,40.132 5.537,41.179 5.466,41.251 5.466,42.069 5.537,42.14 5.537,43.283 6.121,43.867 v1(6.121,44.12) 5.588,44.653 5.588,50.84 7.144,52.395 7.499,52.395 7.971,52.867 7.971,53.153 7.937,53.187 7.945,53.196 7.945,54.493 7.996,54.543 7.996,55.251 7.522,55.724 7.522,58.655 7.295,58.883 7.295,60.559 7.996,61.261 7.996,62.345 7.744,62.597 7.744,63.119 v1(7.925,63.3) ; v1(9.601,39.925) 17.018,39.925 17.476,39.467 17.77,39.467 18.08,39.157 18.08,38.719 17.069,37.708 v1(17.069,36.703) ; v1(20.955,36.246) 21.082,36.119 21.734,36.119 22.354,35.498 28.31,35.498 30.328,37.516 30.328,41.707 30.094,41.94 30.094,44.938 29.718,45.314 29.718,45.68 29.496,45.903 28.763,45.903 28.275,46.391 ; IC20.38@27.555,45.709 27.96,45.709 28.275,46.025 28.275,46.391 ; v1(29.947,51.181) 30.18,50.948 30.18,49.348 29.239,48.407 29.017,48.407 28.497,47.887 28.497,47.303 28.275,47.081 28.275,46.391 ; v1(31.064,50.927) 31.839,50.927 31.991,50.775 R339.2@32.093,50.876 R339.2@32.221,50.748
COM_UART_TX: J54.7 J56.5 R338.2 R345.1 | length 60.5
  Top w0.152: J54.7@1.118,40.411 2.261,41.554 6.274,41.554 v1(6.401,41.681) ; J56.5@4,59.3 4.67,59.97 5.932,59.97 6.16,60.198 v1(8.687,60.198) ; v1@7.228,49.925 v1(7.366,49.925) 12.496,49.925 13.152,50.581 13.152,51.125 13.538,51.511 25.07,51.511 v1(25.248,51.333) ; v1(29.642,49.657) 29.947,49.657 30.759,48.844 30.963,49.047 v1(31.064,49.047)
  Bot w0.152: v1(6.401,41.681) 7.158,42.439 7.158,42.448 7.371,42.661 7.371,43.372 7.463,43.464 7.463,44.809 7.59,44.936 7.59,46.047 7.158,46.479 7.158,47.87 7.188,47.9 7.188,48.401 7.361,48.574 7.361,49.92 v1(7.366,49.925) 7.366,50.532 7.295,50.603 7.295,51.07 7.604,51.379 7.936,51.379 8.987,52.43 8.987,52.8 9.012,52.826 9.012,59.873 v1(8.687,60.198) ; v1(25.248,51.333) 26.01,51.333 26.091,51.252 26.127,51.252 26.437,50.943 26.437,50.247 26.116,49.927 26.116,49.489 26.527,49.078 27.123,49.078 27.53,49.484 28.769,49.484 28.903,49.35 R345.1@28.903,48.946 ; R345.1@28.854,48.946 R345.1@28.903,48.946 ; v1(29.642,49.657) 28.931,48.946 R345.1@28.903,48.946 ; v1@31.191,48.971 R338.2@31.966,48.971